# Altium PCB CORE-XY.PcbDoc (part 1 of 2) (continued)
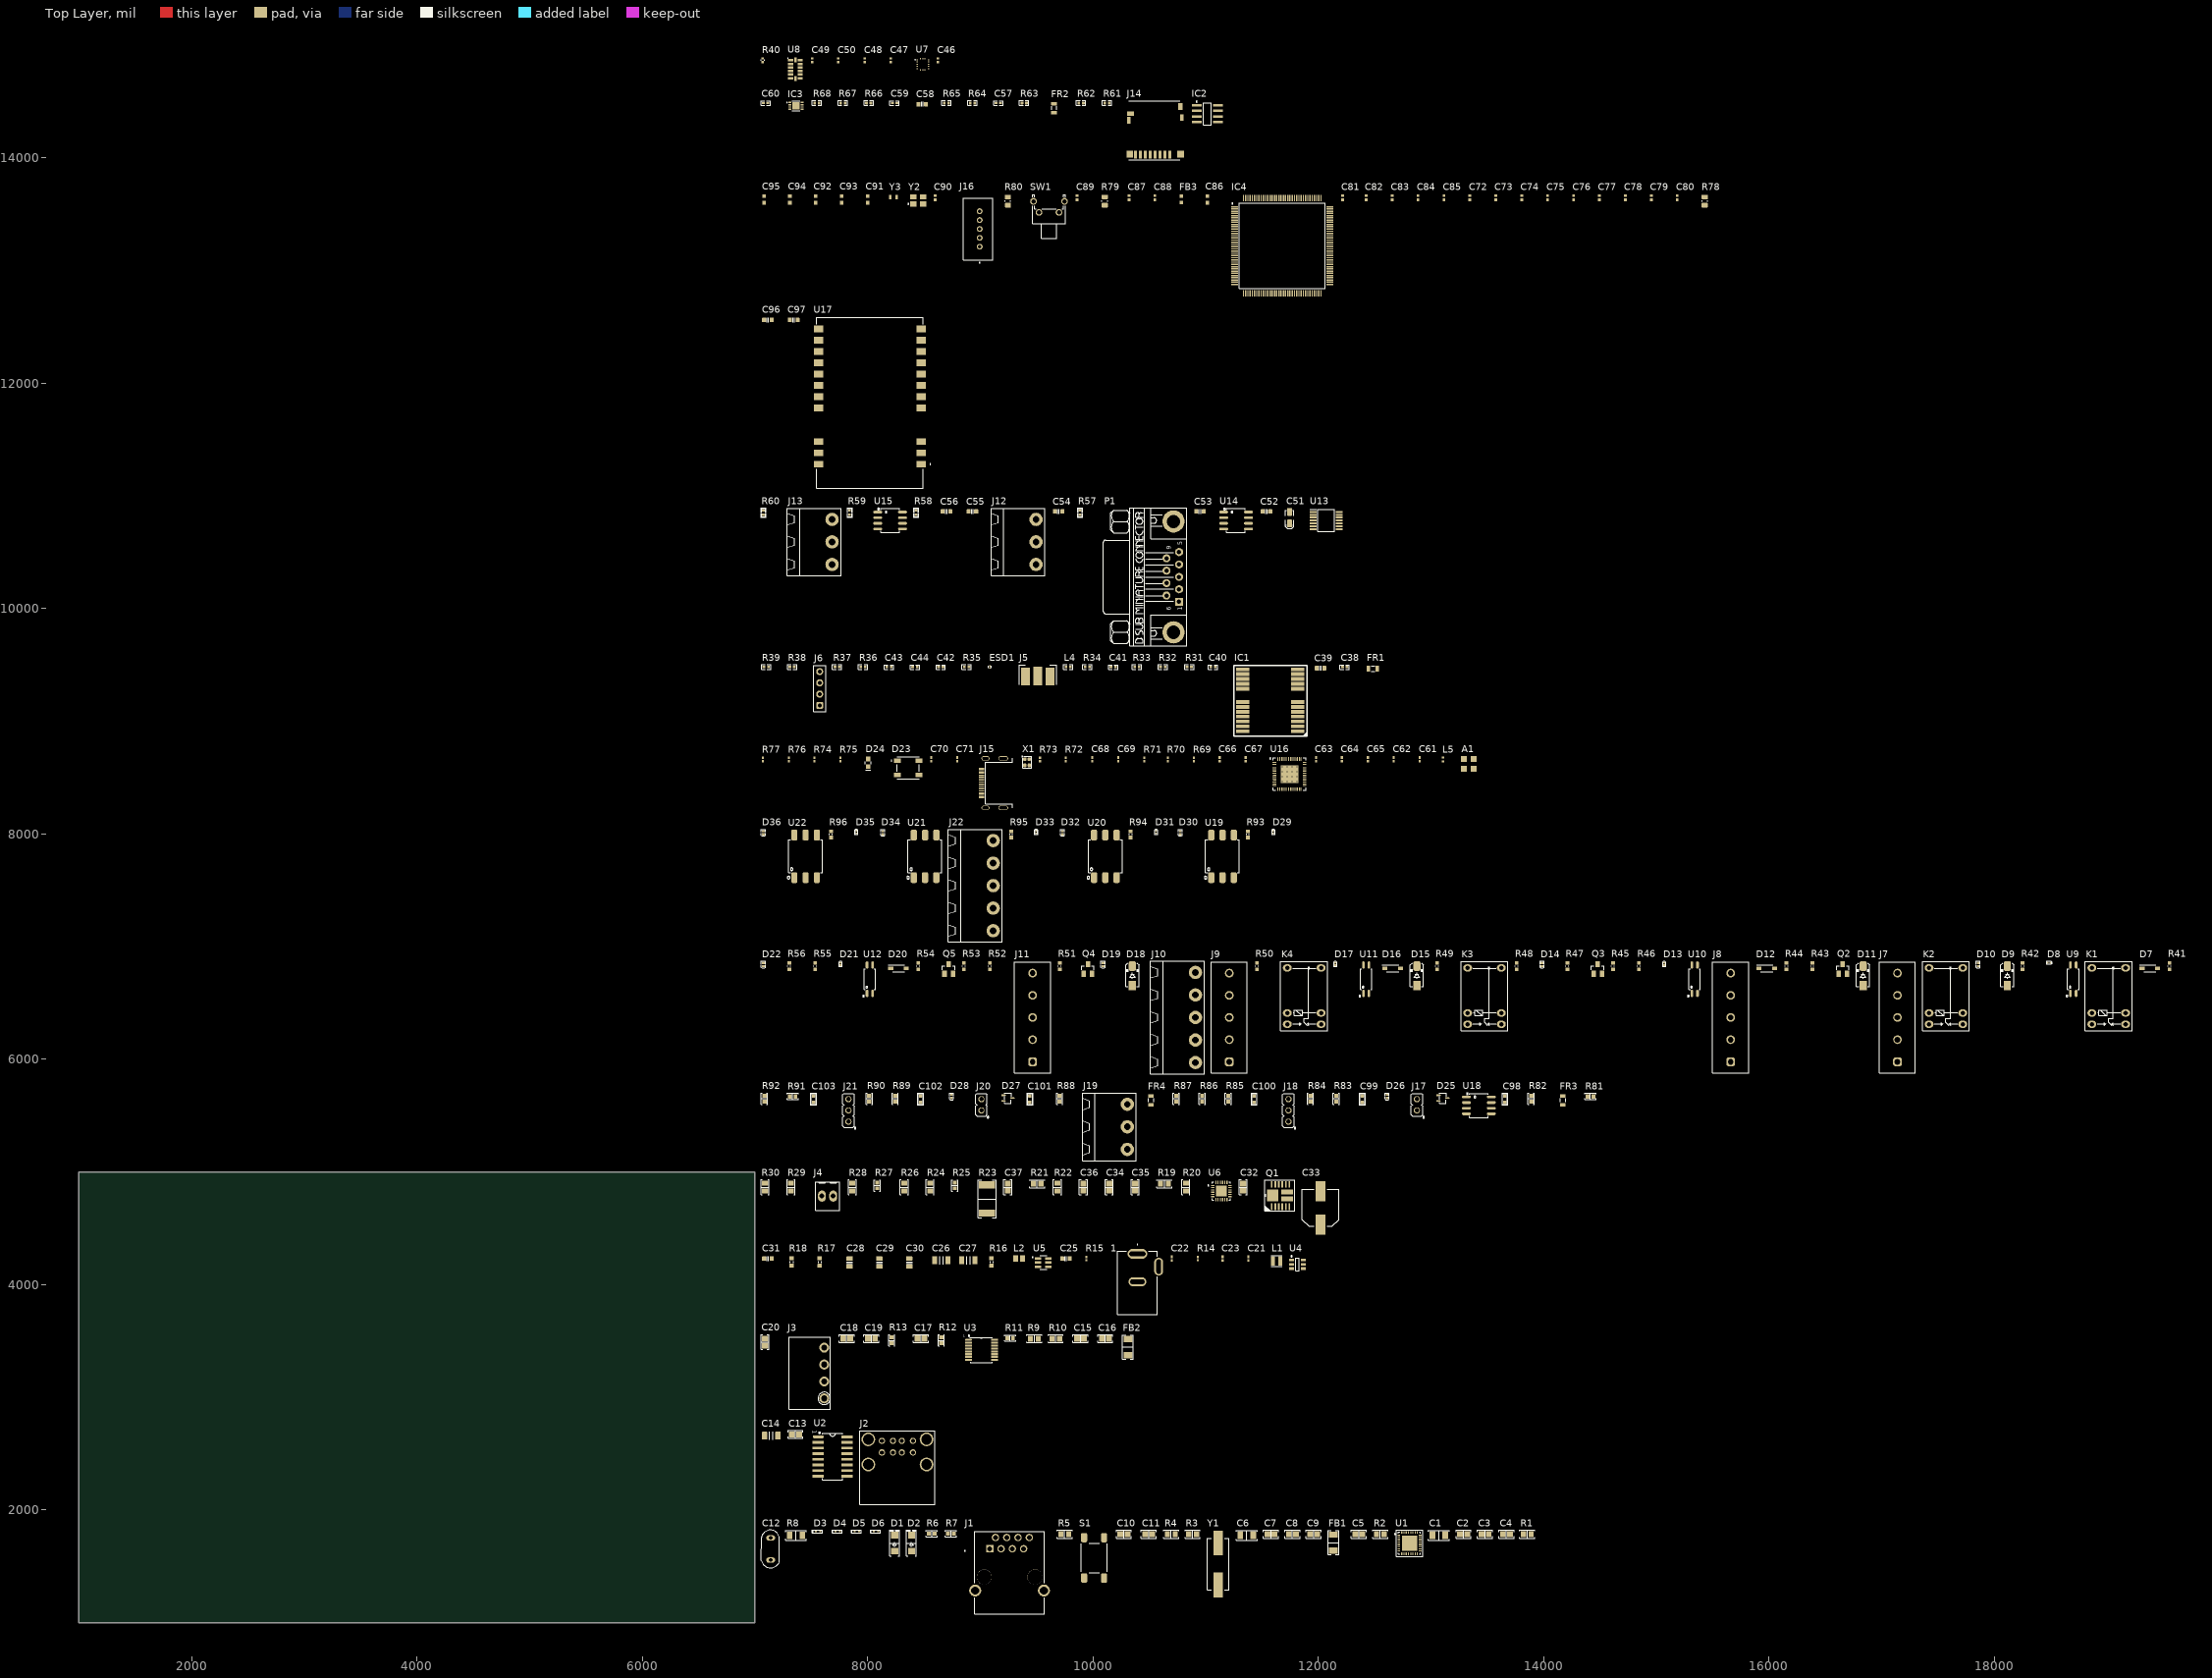
[diagram p0: Top Layer view]
## Components (designator, comment, footprint, x,y, rotation, side; value= is the part's Value field where it differs from the comment) (continued)
R1 "10 kOhms" "RES 0805_2012" 13855,1785 r0 top
R2 "10 kOhms" "RES 0805_2012" 12550,1785 r0 top
R3 "6.49 kOhms" "RES 0805_2012" 10885,1785 r0 top
R4 "10 kOhms" "RES 0805_2012" 10695,1785 r0 top
R5 "10 kOhms" "RES 0805_2012" 9750,1785 r0 top
R6 "3.3 kOhms" "RES 0603_1608" 8570,1790 r0 top
R7 "3.3 kOhms" "RES 0603_1608" 8740,1790 r0 top
R8 "1 MOhms" "RES 1206_3216" 7365,1775 r0 top
R9 "10 kOhms" "RES 0805_2012" 9480,3520 r0 top
R10 "10 kOhms" "RES 0805_2012" 9670,3520 r0 top
R11 "100 kOhms" "RES 0603_1608" 9265,3525 r0 top
R12 "1 kOhms" "RES 0603_1608" 8655,3505 r90 top
R13 "1 kOhms" "RES 0603_1608" 8215,3505 r90 top
R14 "R0402 33k 1%" R0402-HIGH-DENSITY 10930,4230 r90 top value=33k
R15 "R0402 10k 1%" R0402-HIGH-DENSITY 9940,4230 r90 top value=10k
R16 "10k_0603" RES0603 9100,4200 r90 top value=10k
R17 "100k_0603" RES0603 7575,4200 r90 top value=100k
R18 "17k8_0603" RES0603 7325,4200 r90 top value=17k8
R19 "10 kOhms" "RES 0805_2012" 10635,4895 r0 top
R20 "10 kOhms" "RES 0805_2012" 10825,4865 r90 top
R21 "10 kOhms" "RES 0805_2012" 9505,4895 r0 top
R22 "10 kOhms" "RES 0805_2012" 9685,4865 r90 top
R23 "50 mOhms" "RES 2512_6432" 9060,4760 r90 top
R24 "10 kOhms" "RES 0805_2012" 8555,4865 r90 top
R25 "2 kOhms" "RES 0603_1608" 8775,4880 r90 top
R26 "10 kOhms" "RES 0805_2012" 8325,4865 r90 top
R27 "3.3 kOhms" "RES 0603_1608" 8085,4880 r90 top
R28 "33 kOhms" "RES 0805_2012" 7865,4865 r90 top
R29 "10 kOhms" "RES 0805_2012" 7320,4865 r90 top
R30 "10 kOhms" "RES 0805_2012" 7090,4865 r90 top
R31 "0R" RES0402 10855,9480 r0 top
R32 "0R" RES0402 10620,9480 r0 top
R33 "10R, 5%" RES0402 10390,9480 r0 top
R34 "0R" RES0402 9950,9480 r0 top
R35 "0R" RES0402 8880,9480 r0 top
R36 "0R" RES0402 7960,9480 r0 top
R37 "0R" RES0402 7730,9480 r0 top
R38 "0R" RES0402 7330,9480 r0 top
R39 "0R" RES0402 7100,9480 r0 top
R40 "180-000200R" "RES 0402 HD" 7070,14865 r90 top value=0R
R41 "10K" 0603L 19555,6825 r90 top
R42 "1K" 0603L 18250,6825 r90 top
R43 "10K" 0603L 16385,6825 r90 top
R44 "1K" 0603L 16155,6825 r90 top
R45 "1K" 0603L 14615,6825 r90 top
R46 "1K" 0603L 14845,6825 r90 top value=100K
R47 "1K" 0603L 14210,6825 r90 top
R48 "1K" 0603L 13760,6825 r90 top value=100K
R49 "10K" 0603L 13055,6825 r90 top
R50 "1K" 0603L 11455,6825 r90 top
R51 "1K" 0603L 9705,6825 r90 top
R52 "1K" 0603L 9085,6825 r90 top value=100K
R53 "10K" 0603L 8855,6825 r90 top
R54 "1K" 0603L 8450,6825 r90 top
R55 "1K" 0603L 7535,6825 r90 top
R56 "1K" 0603L 7305,6825 r90 top value=100K
R57 "120R" R0402 9885,10850 r90 top
R58 "10K" R0402 8430,10850 r90 top
R59 "10K" R0402 7840,10850 r90 top
R60 "10K" R0402 7075,10850 r90 top
R61 "22R" RES0402 10125,14485 r0 top
R62 "22R" RES0402 9895,14485 r0 top
R63 "22R" RES0402 9390,14485 r0 top
R64 "22R" RES0402 8930,14485 r0 top
R65 "10k, 1%" RES0402 8700,14485 r0 top
R66 "10k, 1%" RES0402 8010,14485 r0 top
R67 "22R" RES0402 7780,14485 r0 top
R68 "22R" RES0402 7550,14485 r0 top
R69 "R0402 5.1K 1%" R0402-HIGH-DENSITY 10895,8660 r90 top value=5.1k
R70 "R0402 10k 1%" R0402-HIGH-DENSITY 10665,8660 r90 top value=10k
R71 "R0402 5.1K 1%" R0402-HIGH-DENSITY 10455,8660 r90 top value=5.1k
R72 "R0402 100R 1%" R0402-HIGH-DENSITY 9760,8660 r90 top value=100
R73 "R0402 100R 1%" R0402-HIGH-DENSITY 9530,8660 r90 top value=100
R74 "R0402 1k 1%" R0402-HIGH-DENSITY 7530,8660 r90 top value=1k
R75 "R0402 1k 1%" R0402-HIGH-DENSITY 7760,8660 r90 top value=1k
R76 "R0402 1k 1%" R0402-HIGH-DENSITY 7300,8660 r90 top value=1k
R77 "R0402 1k 1%" R0402-HIGH-DENSITY 7070,8660 r90 top value=1k
R78 "10k" RESC2012X65N 15430,13615 r90 top
R79 "10k" RESC2012X65N 10105,13615 r90 top
R80 "10k" RESC2012X65N 9245,13615 r90 top
R81 "10K" "RES 0603_1608" 14415,5670 r0 top
R82 "10K" "RES 0603_1608" 13890,5650 r90 top
R83 "10K" "RES 0603_1608" 12160,5650 r90 top
R84 "10K" "RES 0603_1608" 11930,5650 r90 top
R85 "10K" "RES 0603_1608" 11200,5650 r90 top
R86 "10K" "RES 0603_1608" 10970,5650 r90 top
R87 "10K" "RES 0603_1608" 10740,5650 r90 top
R88 "10K" "RES 0603_1608" 9705,5650 r90 top
R89 "10K" "RES 0603_1608" 8245,5650 r90 top
R90 "10K" "RES 0603_1608" 8015,5650 r90 top
R91 "10K" "RES 0603_1608" 7335,5670 r0 top
R92 "10K" "RES 0603_1608" 7085,5650 r90 top
R93 "1K" 0603L 11375,7995 r90 top
R94 "1K" 0603L 10335,7995 r90 top
R95 "1K" 0603L 9275,7995 r90 top
R96 "1K" 0603L 7675,7995 r90 top
S1 "1-1977223-1" "TE FSM4JSMA" 10010,1575 r0 top
SW1 "431256058716" 4312560587x6 9610,13480 r0 top
U1 "DP83826IRHBR" VQFN32_19_218_23X9_SMD 12810,1705 r0 top
U2 "CH340C" SOIC16_50_284_25X90_SMT 7690,2475 r0 top
U3 "ADS122C04IPW" TSSOP16_25-59_294_54X14_SMT 9010,3420 r0 top
U4 "TPS564201" SOT95P280X90-6N 11815,4180 r0 top
U5 "TPS54202" dc12v 9560,4195 r0 top
U6 "DRV8701ERGET" QFN50P400X400X100-25N 11140,4830 r0 top
U7 "ICG-20330" ICG-20330 8490,14830 r0 top
U8 "ADXL345" ADXL345 7360,14785 r0 top
U9 "OPTO" SO_4 18700,6710 r90 top
U10 "OPTO" SO_4 15340,6710 r90 top
U11 "OPTO" SO_4 12425,6710 r90 top
U12 "OPTO" SO_4 8020,6710 r90 top
U13 "ST3232EBTR" SOP65P640X120-14N 12070,10780 r0 top
U14 "TJA1040" SO_8 11270,10780 r0 top
U15 "ADM485" SO_8 8200,10780 r0 top
U16 "ESP32-S2" QFN56 11745,8530 r0 top
U17 "E22-900M30S" E22-900M30S 8020,11825 r0 top
U18 "LTC1441" SO_8 13425,5590 r0 top
U19 "G3VM-61" DIP_6SMD 11150,7800 r90 top
U20 "G3VM-61" DIP_6SMD 10110,7800 r90 top
U21 "G3VM-61" DIP_6SMD 8510,7800 r90 top
U22 "G3VM-61" DIP_6SMD 7450,7800 r90 top
X1 "XTL_40MHz" XTL_4_2016 9415,8635 r0 top
Y1 "25MHz" "ABRACON ABLS" 11110,1520 r90 top
Y2 "25MHz" WE-XTAL_CFPX-180 8450,13620 r0 top
Y3 "32.768kHz" WE-XTAL_IQXC-25 8230,13650 r0 top

## Footprints (in the part's own frame and the unit in brackets; to place one, negate y for a bottom-side part, rotate by r counter-clockwise, add the part's x,y. Pads: shape width x height; smd on the part's side, far side on the other; paste and mask are expansions set on the pad)
0603L [mm]
  rect 0.8x0.85 smd: 1(-0.7,0) 2(0.7,0)
  silkscreen extent -0.07,-0.33 0.07,0.33, body extent -0.87,-0.47 0.87,0.47, height 1
0805L [mm]
  rect 1.1x1.4 smd: 1(-0.75,0) 2(0.75,0)
  body extent -1.1,-0.72 1.1,0.72, height 1.45
0479480001 [mm]
  rect 1.35x1.35 smd: 1(1.075,-1.075) 2(-1.075,-1.075) 2(-1.075,1.075) 2(1.075,1.075)
  body extent -1.58,-1.58 1.58,1.58, height 4
559320510 [mm]
  round 1.3 hole 0.8: 1(0,0) 2(2,0) 3(4,0) 4(6,0) 5(8,0)
  round 0.65 hole 1.3 unplated: MH1(10,1.9)
  silkscreen extent -3.7,-3 11,3.7, body extent -2.98,-3 11.02,3.7, height 9.64
4312560587x6 [mm] "6x6mm right angle Tact Switch with ground terminal, THT version"
  round 1.5 hole 1: 1(-2.25,0.875) 2(2.25,0.875) G1(-3.5,3.375) G2(3.5,3.375)
  silkscreen extent -3.7,-4.98 3.7,4.87, body extent -4.2,-4.97 4.2,4.87, height 7.25
"ABRACON ABLS" [mm]
  rect 5.6x2.1 smd: 1(-4.75,0) 2(4.75,0)
  silkscreen extent -5.77,-2.43 5.77,2.43, body extent -6.35,-2.35 6.35,2.35, height 4.2
ADXL345 [mm]
  rrect10% 1.145x0.55 smd mask+0.05: 1(-1.097,2) 2(-1.097,1.2) 3(-1.098,0.4) 4(-1.098,-0.4) 5(-1.097,-1.2) 6(-1.097,-2) 8(1.097,-2) 9(1.097,-1.2) 10(1.098,-0.4) 11(1.097,0.4) 12(1.098,1.2) 13(1.097,2)
  rrect10% 0.55x1.145 smd mask+0.05: 7(0,-2.098) 14(0,2.098)
  silkscreen extent -1.71,2.49 -1.69,2.51, body extent -1.5,-2.5 1.5,2.5, height 1.01
C0402-HIGH-DENSITY [mil]
  rect 25x19 smd: 1(-16,0) 2(16,0)
  body extent -20,-12 20,12, height 8
c0603 [mm] "CHIP Capacitor, 1.6X0.8mm, 0603 OPTIMIZED"
  rrect50% 0.8x0.8 smd paste-5 mask+0.075: 1(-0.7,0) 2(0.7,0)
  Top Layer pour cut-out: -0.5,0.4 0.5,0.4 0.5,-0.4 -0.5,-0.4
  silkscreen extent -1.4,-0.7 1.4,0.7, body extent -0.8,-0.4 0.8,0.4, height 0.9
C_TN_3216 [mm] "CAPACITOR, TAN A, 1206P, 3.2x1.6mm"
  rrect50% 1.8x1.2 smd mask+0.075: 1(-1.3,0) 2(1.3,0)
  Top Layer pour cut-out: -0.762,0.9 0.762,0.9 0.762,-0.9 -0.762,-0.9
  silkscreen extent -2.4,-0.9 1.7,0.9, body extent -1.7,-0.9 1.7,0.9, height 1.7
CAP0402 [mm]
  round 0.2 on Mech15: 0(0,0)
  rrect20% 0.6x0.5 smd: 1(-0.5,0) 2(0.5,0)
  Top Layer pour cut-out: -0.2,0.35 0.2,0.35 0.2,-0.35 -0.2,-0.35
  silkscreen extent -1.05,-0.5 1.05,0.5, body extent -0.52,-0.27 0.53,0.28, height 0.55
CAP0603 [mm]
  round 0.254 on Mech15: 0(0,0)
  rrect25% 0.9x1 smd: 1(-0.85,0) 2(0.85,0)
  Top Layer pour cut-out: -0.4,0.6 0.4,0.6 0.4,-0.6 -0.4,-0.6
  silkscreen extent -0.18,-0.48 0.18,0.48, body extent -0.85,-0.45 0.85,0.45, height 0.89
CAP0805 [mm]
  round 0.254 on Mech15: 0(0,0)
  rrect25% 1x1.4 smd: 1(-0.9,0) 2(0.9,0)
  Top Layer pour cut-out: -0.4,0.8 0.4,0.8 0.4,-0.8 -0.4,-0.8
  silkscreen extent -0.15,-0.65 0.15,0.65, body extent -1.1,-0.72 1.1,0.73, height 1.34
CAP1206 [mm]
  round 0.508 on Mech15: 0(0,0)
  rrect25% 1.15x1.8 smd: 1(-1.5,0) 2(1.5,0)
  silkscreen extent -0.4,-0.88 0.4,0.88, body extent -1.7,-0.9 1.7,0.9, height 1.74
"Cap 0402 HD" [mm]
  rect 0.52x0.55 smd: 1(-0.4,0) 2(0.4,0)
  body extent -0.55,-0.3 0.55,0.3, height 0.6
"CAP 0805_2012" [mm]
  rect 1.3x1.4 smd: 1(-0.8,0) 2(0.8,0)
  silkscreen extent -1.7,-0.9 1.7,0.9, body extent -1,-0.64 1,0.64, height 1.26
"CAP 1206_3216 - 1.8MM" [mm]
  rect 1.3x1.8 smd: 1(-1.45,0) 2(1.45,0)
  silkscreen extent -2.37,-1.12 2.37,1.12, body extent -1.6,-0.8 1.6,0.8, height 1.8
"CAP ALSMD 8.3MM H10.5MM" [mm]
  rect 4.55x2.3 smd: 1(-3.8,0) 2(3.8,0)
  silkscreen extent -4.15,-4.15 4.15,4.15, body extent -4.95,-4.15 4.95,4.15, height 10.5
CAP_P196_102X287_H332_RAD_TH [mm]
  oval 1.2x2 hole 0.8 mask+0.076: 1(0,0) 2(5,0)
  silkscreen extent -1.75,-2 6.75,2.1, body extent -1.04,-1.3 6.04,1.3, height 9.14
CAPC1005X55N [mm]
  rect 0.6x0.62 smd: 1(-0.46,0) 2(0.46,0)
  body extent -0.5,-0.25 0.5,0.25, height 0.55
CON10_P106_RJ45_TH_ST [mm]
  rect 1.65x1.65 hole 1.1: 1(-4.445,3.43)
  round 1.65 hole 1.1: 2(-3.175,5.97) 3(-1.905,3.43) 4(-0.635,5.97) 5(0.635,3.43) 6(1.905,5.97) 7(3.175,3.43) 8(4.445,5.97)
  round 2.7 hole 1.8: 9(-7.75,-5.97) 10(7.75,-5.97)
  round 3.4 hole 3.4 unplated: ""(-5.715,-2.92) ""(5.715,-2.92)
  silkscreen extent -10.21,-11.22 7.9,7.38, body extent -7.93,-11.21 7.87,7.4, height 13.01
CONN-RELAY [mm] "Serie 2417 - 5.00 mm _ 5 pins"
  rrect50% 1.95x1.95 hole 1.3: 1(-10,0)
  round 1.95 hole 1.3: 2(-5,0) 3(0,0) 4(5,0) 5(10,0)
  silkscreen extent -12.5,-4.05 12.5,4.05, body extent -12.5,-4.05 12.5,4.05, height 10.1
D_SMA [mm] "SMA Molded Diode, 2-Leads, Body 4.3x2.7mm, SOD-128"
  rect 2.2x1.6 smd paste-0.1: 1(-2.2,0)
  rrect50% 2.2x1.6 smd paste-0.1: 2(2.2,0)
  silkscreen extent -2.4,-1.5 2.9,1.5, body extent -2.75,-1.4 2.75,1.4, height 2.6
dc12v [mm]
  rrect25% 1.45x0.59 smd: 1(-1.155,0.95) 2(-1.155,0) 3(-1.155,-0.95) 4(1.155,-0.95) 5(1.155,0) 6(1.155,0.95)
  silkscreen extent -2.5,-1.57 0.8,1.57, body extent -1.53,-1.5 1.27,1.4, height 1.1
DFN5045-12_33_212_27X15_SMD_1 [mm]
  rect 0.4x1.5 smd: 1(-2,-2.5) 2(-1.2,-2.5) 3(-0.4,-2.5) 4(0.4,-2.5) 5(1.2,-2.5) 6(2,-2.5) 7(2,2.5) 8(1.2,2.5) 9(0.4,2.5) 10(-0.4,2.5) 11(-1.2,2.5) 12(-2,2.5)
  rect 2.7x1.1 smd: 13(1.5,-0.75) 14(1.5,0.75)
  rect 2.6x2.6 smd: 15(-1.75,0)
  silkscreen extent -3.5,-3.5 3.25,3.5, body extent -2.5,-2.36 2.5,2.36, height 0.9
DIO_SOD-923 [mm]
  rect 0.49x0.3 smd: A(0.505,0) K(-0.505,0)
  silkscreen extent -1.27,-0.33 1.02,0.33, body extent -0.53,-0.32 0.52,0.32, height 0.44
DIP_6SMD [mm] "DIP6 SMD Package"
  rrect50% 2.4x1.4 smd: 1(-4.8,2.54) 2(-4.8,0) 3(-4.8,-2.54) 4(4.8,-2.54) 5(4.8,0) 6(4.8,2.54)
  silkscreen extent -5.1,-3.83 3.7,4.13, body extent -4.94,-3.56 4.94,3.56, height 3.82
DRIVER-LED [mm]
  rect 1.15x0.8 smd: 1(-1.75,0) 2(1.75,0)
  silkscreen extent -2.32,-0.8 1.35,0.8, body extent -1.86,-0.8 1.86,0.8, height 1.35
DSUB_9RF [mm] "CONN, DSUB MINIATURE, 9PIN, R/A, FEMALE"
  rect 1.8x1.8 hole 1 mask+0.1: 1(-5.6,-1.27)
  round 1.8 hole 1 mask+0.1: 2(-2.8,-1.27) 3(0,-1.27) 4(2.8,-1.27) 5(5.6,-1.27) 6(-4.2,1.57) 7(-1.4,1.57) 8(1.4,1.57) 9(4.2,1.57)
  round 5 hole 3: MH1(-12.5,0) MH2(12.5,0)
  silkscreen extent -15.5,-3 15.5,15.8, body extent -15.4,-2.9 15.4,15.6, height 12.8
E22-900M30S [mm]
  rect 2.08x1.51 smd: 1(11.575,-13.82) 2(11.575,-11.28) 3(11.575,-8.74) 4(11.575,-1.14) 5(11.575,1.4) 6(11.575,3.94) 7(11.575,6.48) 8(11.575,9.02) 9(11.575,11.56) 10(11.575,14.1) 11(11.575,16.64) 12(-11.575,16.64) 13(-11.575,14.1) 14(-11.575,11.56) 15(-11.575,9.02) 16(-11.575,6.48) 17(-11.575,3.94) 18(-11.575,1.4) 19(-11.575,-1.14) 20(-11.575,-8.74) 21(-11.575,-11.28) 22(-11.575,-13.82)
  silkscreen extent -12,-19.25 13.71,19.25, body extent -12.14,-19.29 11.88,19.21, height 3.87
ESD8472_X3DFN2 [mm]
  rect 0.31x0.3 smd mask+0.05: 1(-0.225,0) 2(0.225,0)
  silkscreen extent -0.2,-0.33 0.2,0.33
ESD_XDFN2 [mm] "CHIP ESD Suppressor XDFN-2 X2DFN-2, 1X0.6mm"
  rrect30% 0.5x0.6 smd paste-0.05 mask+0.075: 1(-0.35,0) 2(0.35,0)
  silkscreen extent -0.75,-0.45 0.75,0.45, body extent -0.5,-0.3 0.5,0.3, height 0.45
"FCI 06-381-4PIN" [mm]
  round 2.25 hole 1.4: 1(-5.715,-3.302) 2(-1.905,-3.302) 3(1.905,-3.302) 4(5.715,-3.302)
  silkscreen extent -8.13,-4.7 8.13,4.57, body extent -8.21,-4.7 8.22,4.5, height 7.6
"FER 1206_3216" [mm]
  rect 1.4x2 smd: 1(-1.8,0) 2(1.8,0)
  silkscreen extent -2.7,-1.2 2.7,1.2, body extent -1.65,-0.85 1.65,0.85, height 1.3
GCT_DCJ200-10-A-XX-K_REVA [mm]
  oval 4.4x2.2 hole 1 slot 3.6 at 0 deg: 1(0,6.55)
  oval 4x2 hole 1 slot 3.2 at 0 deg: 2(0,0.25)
  oval 2x4 hole 1 slot 3.2 at 90 deg: 3(4.8,3.65)
  silkscreen extent -4.5,-7.15 4.5,8.75, body extent -4.5,-7.15 5.05,7.15, height 11
HDR_M_1X2 [mm] "Connector; Header; 2 Position"
  round 1.4 / inner round 1.4 / far side oval 1.4x2.2 hole 1 mask+0.1: 1(-1.27,0) 2(1.27,0)
  silkscreen extent -3,-1.7 2.57,1.3, body extent -2.54,-1.25 2.44,1.25, height 8.72
HDR_M_1X3 [mm] "Connector; Header; 3 Position"
  round 1.4 / inner round 1.4 / far side oval 1.4x2.2 hole 1 mask+0.1: 1(-2.54,0) 2(0,0) 3(2.54,0)
  silkscreen extent -4.2,-1.7 3.84,1.3, body extent -3.78,-1.27 3.84,1.27, height 8.54
HEADER4X1_TH [mm]
  rrect50% 1.6x1.6 hole 0.9: 1(-3.814,0)
  round 1.6 hole 0.9: 2(-1.271,0) 3(1.271,0) 4(3.814,0)
  silkscreen extent -5.22,-1.42 5.22,1.4, body extent -5.08,-1.27 5.08,1.27, height 8.54
ICG-20330 [mm]
  rect 0.35x0.25 smd mask+0.05: 1(-1.265,1) 2(-1.265,0.5) 3(-1.265,0) 4(-1.265,-0.5) 5(-1.265,-1) 9(1.265,-1) 10(1.265,-0.5) 11(1.265,0) 12(1.265,0.5) 13(1.265,1)
  rect 0.25x0.35 smd mask+0.05: 6(-0.5,-1.265) 7(0,-1.265) 8(0.5,-1.265) 14(0.5,1.265) 15(0,1.265) 16(-0.5,1.265)
  silkscreen extent -1.75,0.95 -1.65,1.05, body extent -1.5,-1.5 1.5,1.5, height 1.03
L0402-Murata-WW-High-Density [mm]
  rect 0.48x0.54 smd: 1(-0.44,0) 2(0.44,0)
  body extent -0.5,-0.25 0.5,0.25, height 0.5
L1008 [mm]
  rect 0.9x2.1 smd: 1(-0.85,0) 2(0.85,0)
  silkscreen extent -1.25,-1.2 1.25,1.2, body extent -1.25,-1 1.25,1, height 1.23
LED0201AMB [mm] "LED SMD 0201, AMBER"
  rect 0.4x0.4 smd paste-1 mask+0.05: 1(-0.3,0)
  rrect50% 0.4x0.4 smd paste-1 mask+0.05: 2(0.3,0)
  silkscreen extent -0.63,-0.4 0.7,0.4, body extent -0.33,-0.18 0.33,0.18, height 0.3
LED0603-IPC [mm]
  rect 1.1x1 smd: A(0.85,0) K(-0.85,0)
  silkscreen extent -1.68,-0.7 0.25,0.7, body extent -0.8,-0.4 0.8,0.4, height 1.1
"LED 1206_3216 RED" [mm]
  rect 1.5x1.6 smd: 1(-1.8,0) 2(1.8,0)
  silkscreen extent -2.92,-1.1 2.92,1.1, body extent -1.6,-0.8 1.6,0.8, height 0.9
M25P40-VMN6TPB_SO8N [mm]
  rect 2.2x0.55 smd: 1(-2.4,1.905) 2(-2.4,0.635) 3(-2.4,-0.635) 4(-2.4,-1.905) 5(2.4,-1.905) 6(2.4,-0.635) 7(2.4,0.635) 8(2.4,1.905)
  silkscreen extent -2.52,-2.5 0.9,2.85, body extent -2.89,-2.45 2.89,2.45, height 1.45
M24128-DFMC6TG [mm]
  rect 0.65x0.3 smd mask+0.045: 1(-1.4,0.75) 2(-1.4,0.25) 3(-1.4,-0.25) 4(-1.4,-0.75) 5(1.4,-0.75) 6(1.4,-0.25) 7(1.4,0.25) 8(1.4,0.75)
  rect 1.7x1.7 smd mask+0.05: PAD(0,0)
  silkscreen extent -2.06,-1.1 0.9,1.1, body extent -1.52,-1.01 1.52,0.99, height 0.9
MICRO_SD_CARD_114-00841-68_v2 [mm]
  rect 0.7x1.75 smd mask+0.1: 1(3.2,-5.412) 6(-2.3,-5.412)
  rect 0.701x1.753 smd mask+0.1: 2(2.1,-5.412) 8(-4.5,-5.412)
  rect 0.701x1.752 smd mask+0.1: 3(1,-5.412) 4(-0.1,-5.412) 5(-1.2,-5.412) 7(-3.4,-5.412)
  rect 1.501x1.501 smd mask+0.1: 9(-5.8,-5.288)
  rect 1.502x1.502 smd mask+0.1: 10(5.65,-5.288)
  rect 0.801x1.501 smd mask+0.1: 11(-5.975,2.312)
  rect 0.8x1.401 smd mask+0.1: 12(5.975,2.963)
  rect 1.5x1 smd mask+0.1: 13(-5.62,3.812)
  rect 1.001x1.502 smd mask+0.1: 14(5.575,5.413)
  Top Layer pour cut-out: 1,3.1 -3,3.1 -3,5.7 1,5.7
  Top Layer pour cut-out: 3.8,-1 -5.3,-1 -5.3,1.6 3.8,1.6
  silkscreen extent -6,-6.6 5.5,6.7, body extent -6,-9.9 6,5.75, height 1.6
MSTB_3 [mm] "PHOENIX MSTB 2, 5-G, 5.08mm pitch, 3pin"
  round 3 hole 1.5: 1(-5.08,0) 2(0,0) 3(5.08,0)
  silkscreen extent -7.62,-2.03 7.62,10.1, body extent -7.5,-2 7.5,10, height 8.6
MSTB_5 [mm] "PHOENIX MSTB 2, 5-G, 5.08mm pitch"
  round 3 hole 1.5: 1(-10.16,0) 2(-5.08,0) 3(0,0) 4(5.08,0) 5(10.16,0)
  silkscreen extent -12.7,-2.03 12.7,10.1, body extent -12.5,-2 12.5,10, height 8.6
NEO-7M/8M [mm]
  rect 3x0.8 smd: 1(6.2,-7) 2(6.2,-5.9) 3(6.2,-4.8) 4(6.2,-3.7) 5(6.2,-2.6) 6(6.2,-1.5) 7(6.2,-0.4) 8(6.2,2.6) 9(6.2,3.7) 10(6.2,4.8) 11(6.2,5.9) 12(6.2,7) 13(-6.2,7) 14(-6.2,5.9) 15(-6.2,4.8) 16(-6.2,3.7) 17(-6.2,2.6) 18(-6.2,-0.4) 19(-6.2,-1.5) 20(-6.2,-2.6) 21(-6.2,-3.7) 22(-6.2,-4.8) 23(-6.2,-5.9) 24(-6.2,-7)
  silkscreen extent -8.2,-8.1 8.3,7.9, body extent -6.1,-8 6.1,8, height 2.33
QFN50P400X400X100-25N [mm]
  rect 0.86x0.27 smd mask+0.051: 1(-1.935,1.25) 2(-1.935,0.75) 3(-1.935,0.25) 4(-1.935,-0.25) 5(-1.935,-0.75) 6(-1.935,-1.25) 13(1.935,-1.25) 14(1.935,-0.75) 15(1.935,-0.25) 16(1.935,0.25) 17(1.935,0.75) 18(1.935,1.25)
  rect 0.27x0.86 smd mask+0.051: 7(-1.25,-1.935) 8(-0.75,-1.935) 9(-0.25,-1.935) 10(0.25,-1.935) 11(0.75,-1.935) 12(1.25,-1.935) 19(1.25,1.935) 20(0.75,1.935) 21(0.25,1.935) 22(-0.25,1.935) 23(-0.75,1.935) 24(-1.25,1.935)
  rect 2.45x2.45 smd paste-2 mask+0.051: 25(0,0)
  silkscreen extent -3.07,-2 2,2, body extent -2,-2 2,2, height 1
QFN56 [mm]
  oval 0.85x0.2 smd: 1(-3.4,2.6) 2(-3.4,2.2) 3(-3.4,1.8) 4(-3.4,1.4) 5(-3.4,1) 6(-3.4,0.6) 7(-3.4,0.2) 8(-3.4,-0.2) 9(-3.4,-0.6) 10(-3.4,-1) 11(-3.4,-1.4) 12(-3.4,-1.8) 13(-3.4,-2.2) 14(-3.4,-2.6) 29(3.4,-2.6) 30(3.4,-2.2) 31(3.4,-1.8) 32(3.4,-1.4) 33(3.4,-1) 34(3.4,-0.6) 35(3.4,-0.2) 36(3.4,0.2) 37(3.4,0.6) 38(3.4,1) 39(3.4,1.4) 40(3.4,1.8) 41(3.4,2.2) 42(3.4,2.6)
  oval 0.2x0.85 smd: 15(-2.6,-3.4) 16(-2.2,-3.4) 17(-1.8,-3.4) 18(-1.4,-3.4) 19(-1,-3.4) 20(-0.6,-3.4) 21(-0.2,-3.4) 22(0.2,-3.4) 23(0.6,-3.4) 24(1,-3.4) 25(1.4,-3.4) 26(1.8,-3.4) 27(2.2,-3.4) 28(2.6,-3.4) 43(2.6,3.4) 44(2.2,3.4) 45(1.8,3.4) 46(1.4,3.4) 47(1,3.4) 48(0.6,3.4) 49(0.2,3.4) 50(-0.2,3.4) 51(-0.6,3.4) 52(-1,3.4) 53(-1.4,3.4) 54(-1.8,3.4) 55(-2.2,3.4) 56(-2.6,3.4)
  rect 4x4 smd: 57(0,0)
  silkscreen extent -4.45,-3.67 3.67,3.68, body extent -3.5,-3.5 3.5,3.5, height 0.85
QFP50P2200X2200X160-144N [mm]
  rect 1.475x0.3 smd: 1(-10.738,8.75) 2(-10.738,8.25) 3(-10.738,7.75) 4(-10.738,7.25) 5(-10.738,6.75) 6(-10.738,6.25) 7(-10.738,5.75) 8(-10.738,5.25) 9(-10.738,4.75) 10(-10.738,4.25) 11(-10.738,3.75) 12(-10.738,3.25) 13(-10.738,2.75) 14(-10.738,2.25) 15(-10.738,1.75) 16(-10.738,1.25) 17(-10.738,0.75) 18(-10.738,0.25) 19(-10.738,-0.25) 20(-10.738,-0.75) 21(-10.738,-1.25) 22(-10.738,-1.75) 23(-10.738,-2.25) 24(-10.738,-2.75) 25(-10.738,-3.25) 26(-10.738,-3.75) 27(-10.738,-4.25) 28(-10.738,-4.75) 29(-10.738,-5.25) 30(-10.738,-5.75) 31(-10.738,-6.25) 32(-10.738,-6.75) 33(-10.738,-7.25) 34(-10.738,-7.75) 35(-10.738,-8.25) 36(-10.738,-8.75) 73(10.738,-8.75) 74(10.738,-8.25) 75(10.738,-7.75) 76(10.738,-7.25) 77(10.738,-6.75) 78(10.738,-6.25) 79(10.738,-5.75) 80(10.738,-5.25) 81(10.738,-4.75) 82(10.738,-4.25) 83(10.738,-3.75) 84(10.738,-3.25) 85(10.738,-2.75) 86(10.738,-2.25) 87(10.738,-1.75) 88(10.738,-1.25) 89(10.738,-0.75) 90(10.738,-0.25) 91(10.738,0.25) 92(10.738,0.75) 93(10.738,1.25) 94(10.738,1.75) 95(10.738,2.25) 96(10.738,2.75) 97(10.738,3.25) 98(10.738,3.75) 99(10.738,4.25) 100(10.738,4.75) 101(10.738,5.25) 102(10.738,5.75) 103(10.738,6.25) 104(10.738,6.75) 105(10.738,7.25) 106(10.738,7.75) 107(10.738,8.25) 108(10.738,8.75)
  rect 0.3x1.475 smd: 37(-8.75,-10.738) 38(-8.25,-10.738) 39(-7.75,-10.738) 40(-7.25,-10.738) 41(-6.75,-10.738) 42(-6.25,-10.738) 43(-5.75,-10.738) 44(-5.25,-10.738) 45(-4.75,-10.738) 46(-4.25,-10.738) 47(-3.75,-10.738) 48(-3.25,-10.738) 49(-2.75,-10.738) 50(-2.25,-10.738) 51(-1.75,-10.738) 52(-1.25,-10.738) 53(-0.75,-10.738) 54(-0.25,-10.738) 55(0.25,-10.738) 56(0.75,-10.738) 57(1.25,-10.738) 58(1.75,-10.738) 59(2.25,-10.738) 60(2.75,-10.738) 61(3.25,-10.738) 62(3.75,-10.738) 63(4.25,-10.738) 64(4.75,-10.738) 65(5.25,-10.738) 66(5.75,-10.738) 67(6.25,-10.738) 68(6.75,-10.738) 69(7.25,-10.738) 70(7.75,-10.738) 71(8.25,-10.738) 72(8.75,-10.738) 109(8.75,10.738) 110(8.25,10.738) 111(7.75,10.738) 112(7.25,10.738) 113(6.75,10.738) 114(6.25,10.738) 115(5.75,10.738) 116(5.25,10.738) 117(4.75,10.738) 118(4.25,10.738) 119(3.75,10.738) 120(3.25,10.738) 121(2.75,10.738) 122(2.25,10.738) 123(1.75,10.738) 124(1.25,10.738) 125(0.75,10.738) 126(0.25,10.738) 127(-0.25,10.738) 128(-0.75,10.738) 129(-1.25,10.738) 130(-1.75,10.738) 131(-2.25,10.738) 132(-2.75,10.738) 133(-3.25,10.738) 134(-3.75,10.738) 135(-4.25,10.738) 136(-4.75,10.738) 137(-5.25,10.738) 138(-5.75,10.738) 139(-6.25,10.738) 140(-6.75,10.738) 141(-7.25,10.738) 142(-7.75,10.738) 143(-8.25,10.738) 144(-8.75,10.738)
  silkscreen extent -11.35,-9.65 9.65,9.65, body extent -11,-11 11,11, height 1.6
R0402 [mm] "CHIP Resistor, 1.0X0.5mm, 0402"
  rrect50% 0.6x0.6 smd paste-0.05 mask+0.075: 1(-0.5,0) 2(0.5,0)
  silkscreen extent -1.1,-0.6 1.1,0.6, body extent -0.57,-0.27 0.58,0.28, height 0.41
R0402-HIGH-DENSITY [mm]
  rect 0.5x0.45 smd: 1(-0.375,0) 2(0.375,0)
  body extent -0.5,-0.26 0.5,0.26, height 0.34
REL_SPDT_6_1611 [mm] "RELAY, SPDT, 15.7X11X12mm, HFD41, HK4100F, TRB"
  oval 2x1.6 hole 1: 1(-3.8,6.35) 2(3.8,-6.35) 3(-3.8,-6.35) 4(-3.8,-3.81) 5(3.8,-3.81) 11(3.8,6.35)
  silkscreen extent -5.3,-7.8 5.3,7.8, body extent -5.2,-7.7 5.2,7.7, height 11.81
RES0402 [mm]
  round 0.2 on Mech15: 0(0,0)
  rrect20% 0.6x0.6 smd: 1(-0.5,0) 2(0.5,0)
  Top Layer pour cut-out: -0.2,0.35 0.2,0.35 0.2,-0.35 -0.2,-0.35
  silkscreen extent -1.05,-0.55 1.05,0.55, body extent -0.52,-0.27 0.53,0.28, height 0.4
RES0603 [mm]
  round 0.254 on Mech15: 0(0,0)
  rrect25% 0.9x1 smd: 1(-0.85,0) 2(0.85,0)
  Top Layer pour cut-out: -0.4,0.6 0.4,0.6 0.4,-0.6 -0.4,-0.6
  silkscreen extent -0.15,-0.41 0.15,0.41, body extent -0.87,-0.47 0.88,0.48, height 0.54
RES0805 [mm]
  round 0.254 on Mech15: 0(0,0)
  rrect25% 0.8x1.3 smd: 1(-1,0) 2(1,0)
  Top Layer pour cut-out: -0.6,0.75 0.6,0.75 0.6,-0.75 -0.6,-0.75
  silkscreen extent -0.38,-0.64 0.38,0.64, body extent -1.1,-0.67 1.1,0.68, height 0.69
"RES 0402 HD" [mm]
  rect 0.52x0.55 smd: 1(-0.4,0) 2(0.4,0)
  silkscreen extent -0.1,-0.38 0.1,0.38, body extent -0.55,-0.3 0.55,0.3, height 0.4
"RES 0603_1608" [mm]
  rect 0.85x0.95 smd: 1(-0.65,0) 2(0.65,0)
  silkscreen extent -1.27,-0.7 1.27,0.7, body extent -0.8,-0.4 0.8,0.4, height 0.45
"RES 0805_2012" [mm]
  rect 1.15x1.35 smd: 1(-0.875,0) 2(0.875,0)
  silkscreen extent -1.7,-0.9 1.7,0.9, body extent -1,-0.62 1,0.63, height 0.6
"RES 1206_3216" [mm]
  rect 1.2x1.65 smd: 1(-1.4,0) 2(1.4,0)
  silkscreen extent -2.3,-1.1 2.3,1.1, body extent -1.6,-0.8 1.6,0.8, height 0.6
"RES 2512_6432" [mm]
  rect 1.6x3.65 smd: 1(-3.175,0) 2(3.175,0)
  silkscreen extent -4.3,-2.05 4.3,2.05, body extent -3.15,-1.57 3.15,1.57, height 0.7
RESC2012X65N [mm]
  rrect25% 1x1.42 smd: 1(-0.935,0) 2(0.935,0)
  silkscreen extent -0.12,-0.63 0.12,0.63, body extent -1,-0.63 1,0.63, height 0.65
RGB-LED [mm]
  rect 1.5x1 smd: 1(-2.45,1.6) 2(-2.45,-1.6) 3(2.45,-1.6) 4(2.45,1.6)
  silkscreen extent -3.85,-2.5 2.5,2.5, body extent -2.7,-2.5 2.7,2.5, height 1.5
SMA_connector_board_edge_SM [mm]
  rect 2x4.25 smd: 1(0,0)
  rect 2x4 smd: 2(-2.77,-0.1) 2(2.77,-0.1)
  rect 2x4 smd far side: 2(-2.77,-0.1) 2(2.77,-0.1)
  silkscreen extent -4.3,-1.9 4.3,2.5, body extent -3,-11.8 3,1.8, height 3.4
SO_4 [mm] "SOP-4, 2.6x4.4mm body 1.27mm pitch"
  oval 1.6x0.6 smd: 1(-3.2,0.635) 2(-3.2,-0.635) 3(3.2,-0.635) 4(3.2,0.635)
  silkscreen extent -4,-1.3 2.3,1.63, body extent -3.5,-1.3 3.5,1.3, height 1.9
SO_8 [mm] "SOP-8, 5x3.9mm body 1.27mm pitch, SOT96-1, M08A, S8, SOIC8, VO8, MS-012AA(JEDEC), R-8, 8S2, VOG8"
  oval 2x0.6 smd: 1(-2.8,1.905) 2(-2.8,0.635) 3(-2.8,-0.635) 4(-2.8,-1.905) 5(2.8,-1.905) 6(2.8,-0.635) 7(2.8,0.635) 8(2.8,1.905)
  silkscreen extent -2.8,-2.7 2.1,2.8, body extent -3,-2.45 3,2.45, height 1.7
SOIC16_50_284_25X90_SMT [mm]
  oval 2.5x0.635 smd mask+0.076: 1(-3.25,4.42)
  rect 2.5x0.635 smd mask+0.076: 2(-3.25,3.15) 3(-3.25,1.88) 4(-3.25,0.61) 5(-3.25,-0.66) 6(-3.25,-1.93) 7(-3.25,-3.2) 8(-3.25,-4.47) 9(3.25,-4.47) 10(3.25,-3.2) 11(3.25,-1.93) 12(3.25,-0.66) 13(3.25,0.61) 14(3.25,1.88) 15(3.25,3.15) 16(3.25,4.42)
  silkscreen extent -3.07,-5.3 2.26,5.44, body extent -3.02,-4.97 2.98,4.93, height 1.4
SOP65P640X120-14N [mm]
  rect 1.475x0.45 smd: 1(-2.938,1.95) 2(-2.938,1.3) 3(-2.938,0.65) 4(-2.938,0) 5(-2.938,-0.65) 6(-2.938,-1.3) 7(-2.938,-1.95) 8(2.938,-1.95) 9(2.938,-1.3) 10(2.938,-0.65) 11(2.938,0) 12(2.938,0.65) 13(2.938,1.3) 14(2.938,1.95)
  silkscreen extent -3.67,-2.5 1.85,2.52, body extent -3.11,-2.52 3.29,2.48, height 1.2
SOT23 [mm]
  rect 1x1.4 smd: 1(-0.95,-1.1) 2(0.95,-1.1) 3(0,1.1)
  silkscreen extent -1.42,-0.15 1.42,0.66, body extent -1.4,-1.62 1.64,0.98, height 1.2
SOT95P280X90-6N [mm]
  rect 1.05x0.6 smd: 1(-1.325,0.95) 2(-1.325,0) 3(-1.325,-0.95) 4(1.325,-0.95) 5(1.325,0) 6(1.325,0.95)
  silkscreen extent -1.45,-1.45 0.4,1.92, body extent -1.4,-1.45 1.4,1.45, height 1.45
SOT323_3 [mm] "SOT323, SC-70/SC70-3L, DCK, MO-203, 2X1.25mm, 1.27mm pitch"
  oval 1x0.4 smd: 1(-1,0.635) 2(-1,-0.635) 3(1,0)
  silkscreen extent -0.7,-1.15 0.7,1.15, body extent -1.15,-1.05 1.15,1.05, height 1
"TE 282834-2" [mm]
  oval 1.75x2.5 hole 1.1: 1(-1.27,0) 2(1.27,0)
  silkscreen extent -2.7,-3.2 2.7,3.2, body extent -2.77,-3.25 2.77,3.25, height 10
"TE FSM4JSMA" [mm]
  rrect50% 1.4x2.1 smd: 1(2.25,4.55) 2(2.25,-4.55) 3(-2.25,4.55) 4(-2.25,-4.55)
  silkscreen extent -2.92,-3.3 2.92,3.3, body extent -3,-5 3,5, height 5.08
TSSOP16_25-59_294_54X14_SMT [mm]
  oval 1.5x0.45 smd mask+0.076: 1(-2.908,2.273)
  rect 1.5x0.45 smd mask+0.076: 2(-2.908,1.623) 3(-2.908,0.973) 4(-2.908,0.323) 5(-2.908,-0.327) 6(-2.908,-0.977) 7(-2.908,-1.627) 8(-2.908,-2.277) 9(2.942,-2.277) 10(2.942,-1.627) 11(2.942,-0.977) 12(2.942,-0.327) 13(2.942,0.323) 14(2.942,0.973) 15(2.942,1.623) 16(2.942,2.273)
  silkscreen extent -2.97,-2.81 2.51,3.35, body extent -3.2,-2.55 3.2,2.55, height 1.2
"USB-C - 16 Pin Mid Mount" [mm]
  rect 0.3x1.15 smd: A1(-3.3,2.86) A4(-2.5,2.86) A5(-1.25,2.86) A6(-0.25,2.86) A7(0.25,2.86) A8(1.25,2.86) A9(2.5,2.86) A12(3.3,2.86) B1(3.05,2.86) B4(2.25,2.86) B5(1.75,2.86) B6(0.75,2.86) B7(-0.75,2.86) B8(-1.75,2.86) B9(-2.25,2.86) B12(-3.05,2.86)
  oval 1x1.8 hole 0.6 slot 1.4 at 90 deg: S1(-5.575,2) S2(5.575,2)
  oval 1x2.2 hole 0.6 slot 1.8 at 90 deg: S3(-5.575,-2) S4(5.575,-2)
  silkscreen extent -5.58,-4.1 5.58,2, body extent -5.73,-4.83 5.72,3.07, height 1.82
USB_typeA_double_USBR-A-D-F-O-TH [mm]
  round 1.4 hole 0.9 mask+0.05: B1(-3.5,-0.13) B2(-1,-0.13) B3(1,-0.13) B4(3.5,-0.13) T1(-3.5,2.49) T2(-1,2.49) T3(1,2.49) T4(3.5,2.49)
  round 3.1 hole 2.4 mask+0.05: SHIELD(-6.57,-2.84) SHIELD(-6.57,2.84) SHIELD(6.57,-2.84) SHIELD(6.57,2.84)
  silkscreen extent -8.5,-11.85 8.5,4.75, body extent -7.8,-13.55 7.8,4.1, height 16.1
VQFN32_19_218_23X9_SMD [mm]
  rrect25% 0.6x0.25 smd mask+0: 1(-2.4,1.75) 2(-2.4,1.25) 3(-2.4,0.75) 4(-2.4,0.25) 5(-2.4,-0.25) 6(-2.4,-0.75) 7(-2.4,-1.25) 8(-2.4,-1.75) 17(2.4,-1.75) 18(2.4,-1.25) 19(2.4,-0.75) 20(2.4,-0.25) 21(2.4,0.25) 22(2.4,0.75) 23(2.4,1.25) 24(2.4,1.75)
  rrect25% 0.25x0.6 smd mask+0: 9(-1.75,-2.4) 10(-1.25,-2.4) 11(-0.75,-2.4) 12(-0.25,-2.4) 13(0.25,-2.4) 14(0.75,-2.4) 15(1.25,-2.4) 16(1.75,-2.4) 25(1.75,2.4) 26(1.25,2.4) 27(0.75,2.4) 28(0.25,2.4) 29(-0.25,2.4) 30(-0.75,2.4) 31(-1.25,2.4) 32(-1.75,2.4)
  rect 3.45x3.45 smd paste-3 mask+0: 33(0,0)
  silkscreen extent -3.39,-2.95 2.95,2.95, body extent -2.56,-2.56 2.56,2.56, height 1.01
WCAP-CSST_0603_L1.6W0.8H0.8_Reflow [mm] "Soft Termination MLCC, body 1.60x0.80mm"
  rect 0.8x0.8 smd: 1(-0.75,0) 2(0.75,0)
  body extent -0.8,-0.4 0.8,0.4, height 0.8
WE-CBA_0603_L1.6W0.8H0.8_HF/HS/WB [mm] "SMD EMI Suppression Ferrite Bead, 2-Leads, body 1.60x0.80mm"
  rect 0.75x0.7 smd: 1(-0.725,0) 2(0.725,0)
  body extent -0.8,-0.4 0.8,0.4, height 0.8
WE-XTAL_CFPX-180 [mm] "Quartz Crystal, size CFPX-180, body 3.4x2.7mm"
  rect 1.4x1.15 smd: 1(-1.1,-0.8) 2(1.1,-0.8) 3(1.1,0.8) 4(-1.1,0.8)
  silkscreen extent -2.35,-0.85 -2.15,-0.65, body extent -1.7,-1.35 1.7,1.35, height 0.65
WE-XTAL_IQXC-25 [mm] "Quartz Crystal, size IQXC-25, body 2x1mm"
  rect 0.6x1.1 smd: 1(-0.7,0) 2(0.7,0)
  body extent -1,-0.6 1,0.6, height 0.55
XTL_4_2016 [mm] "ABM11"
  rrect50% 0.7x0.8 smd mask+0.075: 1(-0.5,0.7) 2(-0.5,-0.7) 3(0.5,-0.7) 4(0.5,0.7)
  Top Layer pour cut-out: -0.8,0.4 -0.8,-0.4 0.8,-0.4 0.8,0.4
  silkscreen extent -1.2,-1.3 1,1.4, body extent -0.8,-1 0.8,1, height 0.65